# KiCad board Mainboard.kicad_pcb
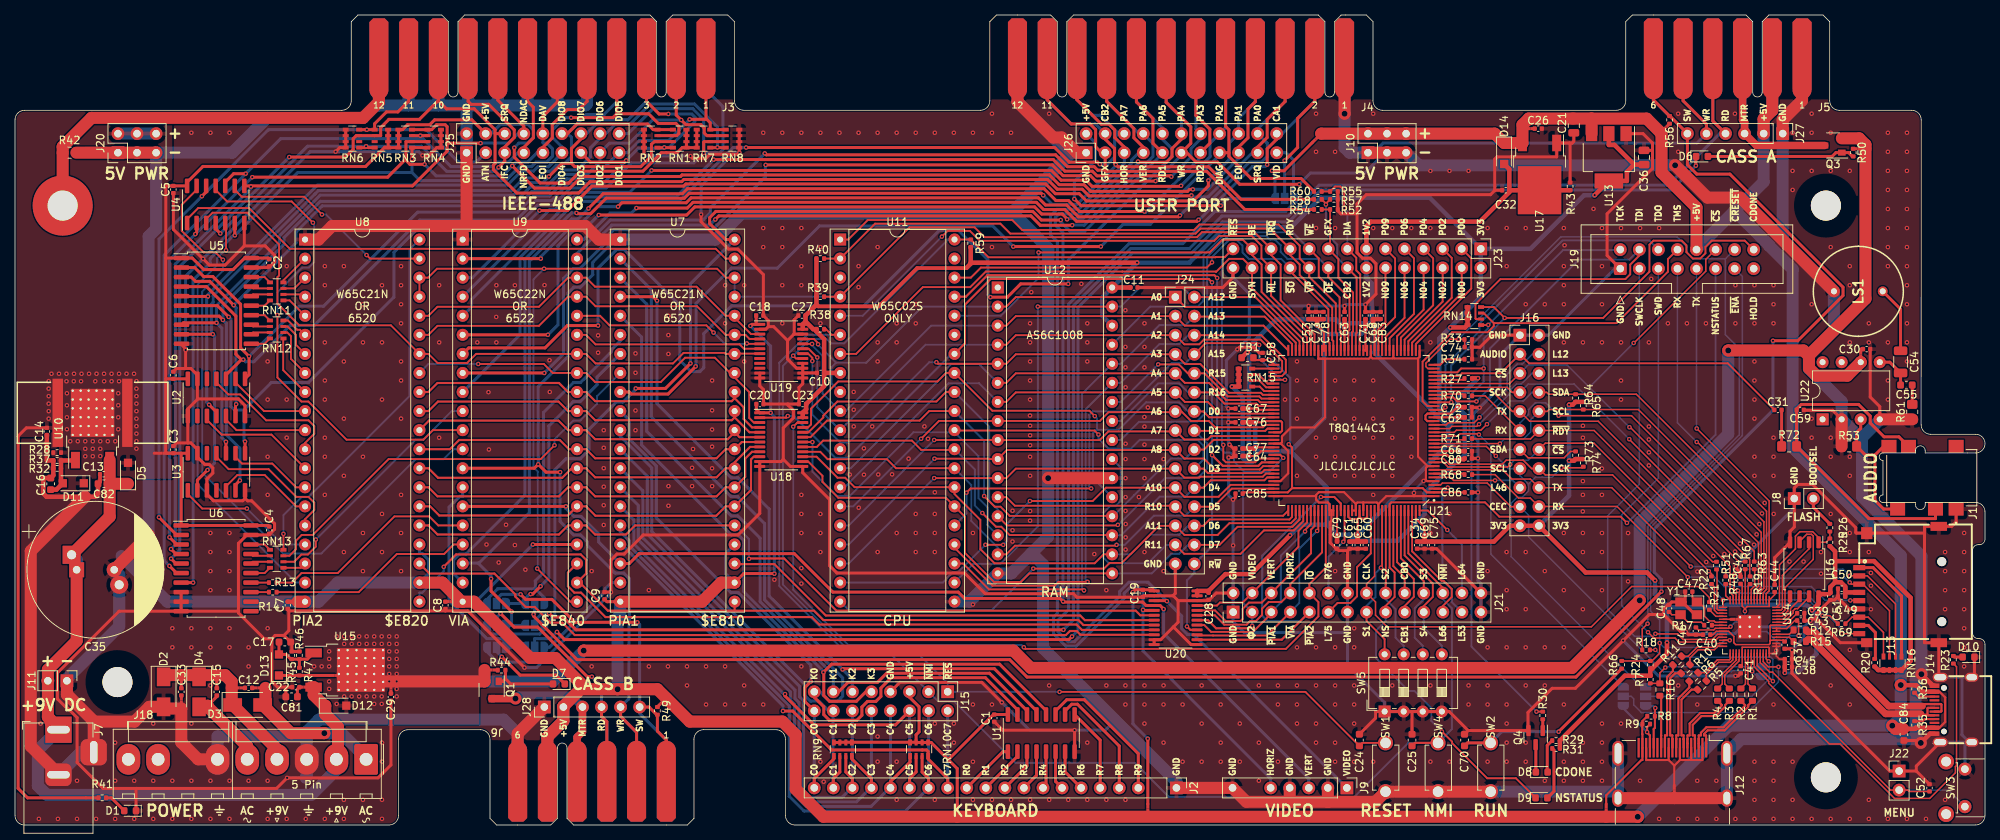
[diagram p0: board, top side]
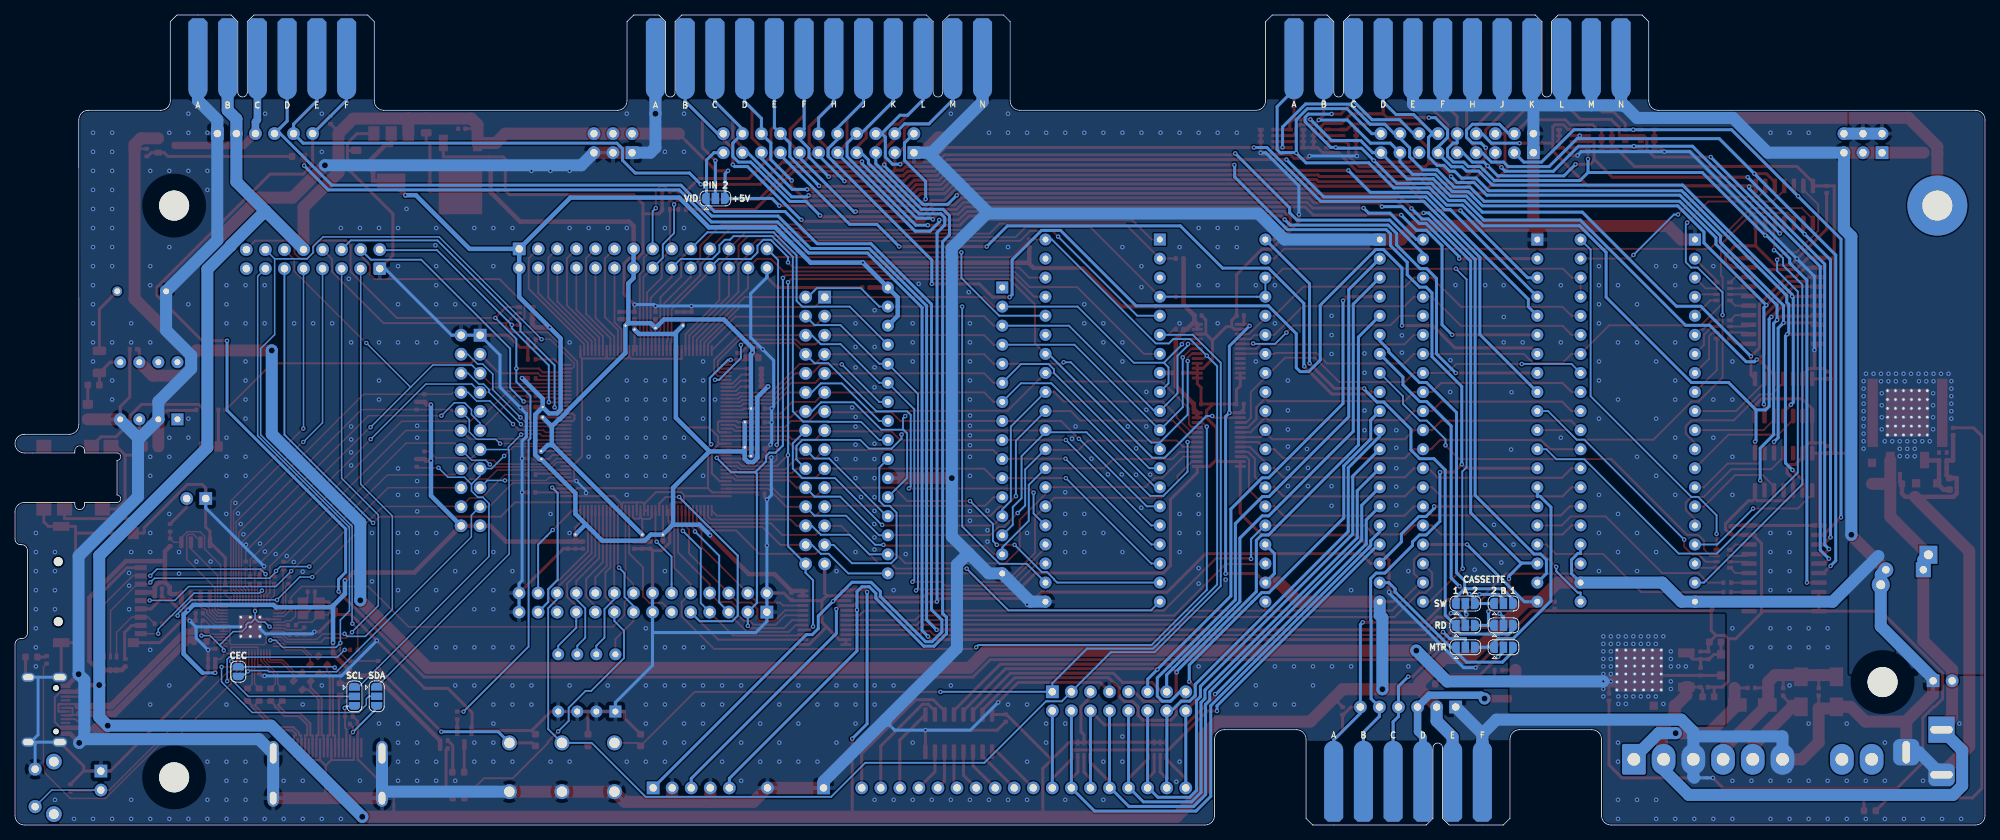
[diagram p1: board, bottom side, seen from below]

Outline 262.5 x 107.95 mm; copper layers: Top, Bottom. Coordinates in mm from the lower left corner of the outline.
Outline path: 43.54,95.25 1.27,95.25 arc(0.37,94.88) 0,93.98 0,1.27 arc(0.37,0.37) 1.27,0 49.83,0 arc(50.73,0.37) 51.1,1.27 51.1,11.43 arc(51.47,12.33) 52.37,12.7 62.02,12.7 ; 91.74,12.7 101.39,12.7 arc(102.29,12.33) 102.66,11.43 102.66,1.27 arc(103.04,0.37) 103.93,0 261.23,0 arc(262.13,0.37) 262.5,1.27 262.5,24.07 arc(262.28,24.61) 261.74,24.84 261.6,24.84 arc(261.06,25.06) 260.84,25.6 260.84,36.6 arc(261.06,37.13) 261.6,37.36 261.74,37.36 arc(262.28,37.58) 262.5,38.12 262.5,41.73 arc(262.13,42.62) 261.25,42.98 260.15,42.98 ; 128.63,95.25 97.13,95.25 ; 213.36,95.25 182.22,95.25 ; 243.08,95.25 252.73,95.25 arc(253.63,94.88) 254,93.98 253.99,53.34 arc(254.36,52.44) 255.26,52.07 261.26,52.07 arc(262.5,50.83) 261.26,49.58 260.15,49.58
Stack: Top 0.035mm / dielectric 0.48mm FR4 er 4.5 / Bottom 0.035mm

## Placement (name value [footprint] x y rotation side)
C1  100n  [C_0402_1005Metric]  130.49 14.24 270 top
C2  100n  [C_0402_1005Metric]  33.88 74.93 270 top
C3  100n  [C_0402_1005Metric]  21.1 50.03 90 top
C4  100n  [C_0402_1005Metric]  33.88 39.29 270 top
C5  100n  [C_0402_1005Metric]  21.1 84.69 270 top
C6  100n  [C_0402_1005Metric]  21.1 59.94 90 top
C7  100n  [C_0402_1005Metric]  36.35 29.28 270 top
C8  100n  [C_0402_1005Metric]  57.35 29.28 270 top
C9  100n  [C_0402_1005Metric]  78.56 30.56 90 top
C10  100n  [C_0402_1005Metric]  107.34 60.25 180 top
C11  100n  [C_0402_1005Metric]  149.1 71.63 0 top
C12  22n  [C_0402_1005Metric]  31.12 18.27 180 top
C13  100n  [C_0402_1005Metric]  11.81 46.75 180 top
C14  1u  [C_0402_1005Metric]  4.25 52.45 270 top
C15  22n  [C_0402_1005Metric]  26.89 17.75 270 top
C16  10u  [C_0603_1608Metric]  4.75 45.47 90 top
C17  10u  [C_0603_1608Metric]  35.95 24.38 0 top
C18  100n  [C_0402_1005Metric]  99.24 67.9 0 top
C19  100n  [C_0402_1005Metric]  150.27 30.87 270 top
C20  100n  [C_0402_1005Metric]  99.26 56.1 0 top
C21  22u  [C_0805_2012Metric]  207.71 93.2 270 top
C22  100n  [C_0402_1005Metric]  37.42 18.37 180 top
C23  100n  [C_0402_1005Metric]  104.94 56.1 180 top
C24  10u  [C_0603_1608Metric]  179.14 11.32 90 top
C25  10u  [C_0603_1608Metric]  186.15 11.32 90 top
C26  100n  [C_0402_1005Metric]  202.97 92.81 0 top
C27  100n  [C_0402_1005Metric]  104.86 67.9 180 top
C28  100n  [C_0402_1005Metric]  159.05 30.5 270 top
C29  1u  [C_0402_1005Metric]  50.09 17.05 270 top
C30  100n  [C_0402_1005Metric]  246.73 63.42 0 top
C31  1u  [C_0402_1005Metric]  234.92 55.32 0 top
C32  1u  [C_0402_1005Metric]  198.64 84.59 180 top
C33  22n  [C_0402_1005Metric]  22.16 17.75 90 top
C34  100n  [C_0402_1005Metric]  186.83 37.3 270 top
C35  470u  [CP_Radial_D18.0mm_P5.00mm_P7.50mm]  8.21 34.01 0 top
C36  22u  [C_0805_2012Metric]  217.06 88.96 90 top
C37  2.2u 6.3V  [C_0402_1005Metric]  235.8 23.97 270 top
C38  2.2u 6.3V  [C_0402_1005Metric]  236.3 21.05 0 top
C39  100n  [C_0402_1005Metric]  237.95 28.22 0 top
C40  100n  [C_0402_1005Metric]  225.42 25.36 180 top
C41  100n  [C_0402_1005Metric]  229.95 20.7 270 top
C42  100n  [C_0402_1005Metric]  229.93 32.62 90 top
C43  100n  [C_0402_1005Metric]  237.95 27.25 0 top
C44  100n  [C_0402_1005Metric]  234.47 31.52 90 top
C45  100n  [C_0402_1005Metric]  236.3 22.1 0 top
C46  100n  [C_0402_1005Metric]  223.98 25.85 270 top
C47  30p  [C_0402_1005Metric]  223.03 31.1 0 top
C48  30p  [C_0402_1005Metric]  220.4 28.87 270 top
C49  100n  [C_0402_1005Metric]  243.39 30.45 180 top
C50  10u 6.3V  [C_0402_1005Metric]  243.39 31.5 180 top
C51  100n  [C_0402_1005Metric]  241.88 30.47 270 top
C52  2.2u 6.3V  [C_0402_1005Metric]  255.11 4.95 90 top
C53  1u  [C_0402_1005Metric]  172.35 67.9 90 top
C54  47u 10V  [C_1206_3216Metric]  251.25 61.72 90 top
C55  47n  [C_0603_1608Metric]  252.03 58.63 0 top
C58  4.7u 10V  [C_0402_1005Metric]  166.24 62.44 90 top
C59  22n  [C_0402_1005Metric]  237.88 55.32 0 top
C60  1u  [C_0402_1005Metric]  179.99 37.3 270 top
C61  100n  [C_0402_1005Metric]  177.83 37.3 270 top
C62  10n  [C_0402_1005Metric]  193.65 54.33 0 top
C63  100n  [C_0402_1005Metric]  177.16 67.9 90 top
C64  100n  [C_0402_1005Metric]  163.11 49.17 180 top
C65  10n  [C_0402_1005Metric]  178.91 37.3 270 top
C66  100n  [C_0402_1005Metric]  193.65 49.83 0 top
C67  10n  [C_0402_1005Metric]  163.11 55.5 180 top
C68  100n  [C_0402_1005Metric]  180.95 67.9 90 top
C69  10n  [C_0402_1005Metric]  187.83 37.3 270 top
C70  10u  [C_0603_1608Metric]  193.15 11.32 90 top
C71  100n  [C_0402_1005Metric]  179.95 67.9 90 top
C72  100n  [C_0402_1005Metric]  193.65 55.69 0 top
C73  10n  [C_0402_1005Metric]  173.35 67.9 90 top
C74  100n  [C_0402_1005Metric]  193.65 63.69 0 top
C75  1u  [C_0402_1005Metric]  188.82 37.3 270 top
C76  100n  [C_0402_1005Metric]  163.11 53.66 180 top
C77  100n  [C_0402_1005Metric]  163.1 50.17 180 top
C78  100n  [C_0402_1005Metric]  174.35 67.9 90 top
C79  100n  [C_0402_1005Metric]  176.16 37.3 270 top
C80  100n  [C_0402_1005Metric]  193.65 48.85 0 top
C81  10u  [C_0603_1608Metric]  36.86 17.09 180 top
C82  10u  [C_0603_1608Metric]  11.84 45.47 180 top
C83  1u  [C_0402_1005Metric]  181.96 67.9 90 top
C84  4.7u 16V  [C_0603_1608Metric]  251.7 12.04 270 top
C85  100n  [C_0402_1005Metric]  163.11 44.16 180 top
C86  100n  [C_0402_1005Metric]  193.65 44.33 0 top
D1  LED_RED  [LED_0603_1608Metric]  15.34 1.9 180 top
D2  SS34  [D_SMA]  19.8 17.75 270 top
D3  SS34  [D_SMA]  31 16 0 top
D4  SS34  [D_SMA]  24.53 17.75 270 top
D5  SM4007  [D_SOD-123F]  15.06 46.87 90 top
D6  LED_RED  [LED_0603_1608Metric]  224.79 89.1 0 top
D7  LED_RED  [LED_0603_1608Metric]  72.47 18.8 180 top
D8  LED_GRN  [LED_0603_1608Metric]  203.44 7.05 0 top
D9  LED_RED  [LED_0603_1608Metric]  203.4 3.61 0 top
D10  LED_GRN  [LED_0603_1608Metric]  260.31 22.38 180 top
D11  SM4007  [D_SOD-123F]  7.77 45.54 180 top
D12  SM4007  [D_SOD-123F]  42.74 15.9 0 top
D13  SM4007  [D_SOD-123F]  35.17 21.33 90 top
D14  SM4007  [D_SOD-123F]  198.43 89.49 270 top
FB1  600 200ma  [L_0603_1608Metric]  164.23 62.27 180 top
H1  MountingHole_Pad  [MountingHole_4mm_Pad]  6.35 82.55 0 top
H2  MountingHole  [PET_MountingHole_4mm]  241.3 82.55 0 top
H3  MountingHole  [PET_MountingHole_4mm]  241.3 6.35 0 top
H4  MountingHole  [PET_MountingHole_4mm]  13.65 19.05 0 top
HS1  Heatsink_Pad  [V1100SMDBL]  10.34 54.93 0 top
J1  SJ-43504-SMT-TR  [CUI_SJ-43504-SMT-TR]  258.65 42.11 90 top
J2  KEYBOARD  [CBM_PET_KEYBOARD_KEYED_20P]  154.76 4.94 270 top
J3  IEEE  [CBM_PET_IEEE_EDGE_CON_24P]  48.49 96.52 0 top
J4  USER  [CBM_PET_USER_EDGE_CON_24P]  133.58 96.52 0 top
J5  CASS A  [CBM_PET_CASS_EDGE_CON_12P]  218.31 96.52 0 top
J6  CASS B  [CBM_PET_CASS_EDGE_CON_12P]  86.79 11.43 180 top
J7  9V POWER  [BarrelJack_Horizontal]  5.79 12.7 90 top
J8  FLASH  [PinHeader_1x02_P2.54mm_Vertical]  237.09 43.51 90 top
J9  VIDEO  [PET_Video]  177.47 4.94 270 top
J10  5V PWR  [PinHeader_2x03_P2.54mm_Vertical]  180.28 89.6 90 top
J11  9V POWER  [PinHeader_1x02_P2.54mm_Vertical]  6.92 19.22 270 top
J12  NOT_HDMI_A  [HDMI_A_Molex_208658-1001_Horizontal]  220.85 7.02 270 top
J13  MicroSD  [TF-SMD_TF-PUSH]  253.24 32.17 90 top
J14  USB2.0_HOST_TYPE_C  [USB-C_SMD-TYPE-C-31-M-12]  259.55 15.37 90 top
J15  KEYBOARD_EX  [PinHeader_2x08_P2.54mm_Vertical]  124.28 17.76 270 top
J16  FPGA_MCU  [PinHeader_2x11_P2.54mm_Vertical]  200.52 65.28 0 top
J18  PET POWER  [PET_POWER_Molex_KK-396_A-41791-0009_1x09_P3.96mm_Vertical]  46.79 8.75 180 top
J19  PROG  [IDC-Header_2x08_P2.54mm_Vertical]  213.9 74.15 90 top
J20  5V PWR  [PinHeader_2x03_P2.54mm_Vertical]  13.72 89.6 90 top
J21  FPGA_P3  [PinHeader_2x14_P2.54mm_Vertical]  162.31 28.37 90 top
J22  MENU  [PinHeader_1x02_P2.54mm_Vertical]  251.06 7.19 0 top
J23  FPGA_P2  [PinHeader_2x14_P2.54mm_Vertical]  195.31 76.78 270 top
J24  FPGA_P1  [PinHeader_2x15_P2.54mm_Vertical]  154.61 70.35 0 top
J25  IEEE_HEADER  [PinHeader_2x09_P2.54mm_Vertical]  60.17 89.6 90 top
J26  USER_HEADER  [PinHeader_2x11_P2.54mm_Vertical]  142.72 89.6 90 top
J27  CASS_A_HEADER  [PinHeader_1x06_P2.54mm_Vertical]  235.54 92.15 270 top
J28  CASS_B_HEADER  [PinHeader_1x06_P2.54mm_Vertical]  70.53 15.72 90 top
JP1  CASS A ~{SWITCH}  [SolderJumper-3_P1.3mm_Open_RoundedPad1.0x1.5mm]  69.25 29.52 180 bottom
JP2  CASS B ~{SWITCH}  [SolderJumper-3_P1.3mm_Open_RoundedPad1.0x1.5mm]  64.17 29.52 180 bottom
JP3  CASS A READ  [SolderJumper-3_P1.3mm_Open_RoundedPad1.0x1.5mm]  69.25 26.6 180 bottom
JP4  CASS B READ  [SolderJumper-3_P1.3mm_Open_RoundedPad1.0x1.5mm]  64.17 26.6 180 bottom
JP5  CASS A ~{MOTOR}  [SolderJumper-3_P1.3mm_Open_RoundedPad1.0x1.5mm]  69.25 23.68 180 bottom
JP6  CASS B ~{MOTOR}  [SolderJumper-3_P1.3mm_Open_RoundedPad1.0x1.5mm]  64.17 23.68 180 bottom
JP7  DVI_CEC  [SolderJumper-2_P1.3mm_Open_RoundedPad1.0x1.5mm]  232.75 20.44 90 bottom
JP8  DVI_SDA  [SolderJumper-3_P1.3mm_Open_RoundedPad1.0x1.5mm]  214.31 17.15 270 bottom
JP9  DVI_SCL  [SolderJumper-3_P1.3mm_Open_RoundedPad1.0x1.5mm]  217.27 17.14 270 bottom
JP10  VIDEO_OR_5V  [SolderJumper-3_P1.3mm_Open_RoundedPad1.0x1.5mm]  169.18 83.5 180 bottom
LS1  Speaker  [AT1220TT9R]  248.87 71.12 270 top
PT1  PowerTie_2  [NetTie-2_SMD_Pad_1.6_to_0.4mm]  237.51 20.28 180 bottom
PT2  PowerTie_2  [NetTie-2_SMD_Pad_1.6_to_0.4mm]  230.32 27.41 180 top
PT4  PowerTie_2  [NetTie-2_SMD_Pad_1.6_to_0.4mm]  9.48 3.62 0 top
PT5  PowerTie_2  [NetTie-2_SMD_Pad_1.6_to_0.4mm]  18.55 49.55 0 top
PT6  PowerTie_2  [NetTie-2_SMD_Pad_1.6_to_0.4mm]  95.89 32.3 135 bottom
PT7  PowerTie_2  [NetTie-2_SMD_Pad_1.6_to_0.4mm]  59.65 29.76 0 bottom
PT8  PowerTie_2  [NetTie-2_SMD_Pad_1.6_to_0.4mm]  53.89 32.3 45 bottom
PT9  PowerTie_2  [NetTie-2_SMD_Pad_1.6_to_0.4mm]  38.73 6.29 180 bottom
PT10  PowerTie_2  [NetTie-2_SMD_Pad_1.6_to_0.4mm]  254.03 20.1 315 top
PT11  PowerTie_2  [NetTie-2_SMD_Pad_1.6_to_0.4mm]  253.95 10.95 45 top
PT12  PowerTie_2  [NetTie-2_SMD_Pad_1.6_to_0.4mm]  95.9 32.3 45 top
PT13  PowerTie_2  [NetTie-2_SMD_Pad_1.6_to_0.4mm]  150.95 1.1 90 top
PT14  PowerTie_2  [NetTie-2_SMD_Pad_1.6_to_0.4mm]  200.87 92.81 0 top
PT15  PowerTie_2  [NetTie-2_SMD_Pad_1.6_to_0.4mm]  219.27 92.26 45 top
PT16  PowerTie_2  [NetTie-2_SMD_Pad_1.6_to_0.4mm]  86.77 16.92 225 top
PT17  PowerTie_2  [NetTie-2_SMD_Pad_1.6_to_0.4mm]  125.55 1.1 90 top
PT18  PowerTie_2  [NetTie-2_SMD_Pad_1.6_to_0.4mm]  212.02 1.1 90 top
PT19  PowerTie_2  [NetTie-2_SMD_Pad_1.6_to_0.4mm]  251.49 12.81 0 top
PT20  PowerTie_2  [NetTie-2_SMD_Pad_1.6_to_0.4mm]  251.27 18.65 0 top
PT21  PowerTie_2  [NetTie-2_SMD_Pad_1.6_to_0.4mm]  246.57 90.12 180 top
PT22  PowerTie_2  [NetTie-2_SMD_Pad_1.6_to_0.4mm]  62.56 20.67 0 top
PT23  PowerTie_2  [NetTie-2_SMD_Pad_1.6_to_0.4mm]  43.69 19.93 180 top
PT24  PowerTie_2  [NetTie-2_SMD_Pad_1.6_to_0.4mm]  39.52 18.37 180 top
PT25  PowerTie_2  [NetTie-2_SMD_Pad_1.6_to_0.4mm]  50.09 19.13 270 top
PT26  PowerTie_2  [NetTie-2_SMD_Pad_1.6_to_0.4mm]  174.06 92.14 225 top
PT27  PowerTie_2  [NetTie-2_SMD_Pad_1.6_to_0.4mm]  22.16 15.52 90 top
PT28  PowerTie_2  [NetTie-2_SMD_Pad_1.6_to_0.4mm]  33.38 18.27 180 top
PT29  PowerTie_2  [NetTie-2_SMD_Pad_1.6_to_0.4mm]  25.67 15.9 45 top
PT30  PowerTie_2  [NetTie-2_SMD_Pad_1.6_to_0.4mm]  26.89 19.97 270 top
PT31  PowerTie_2  [NetTie-2_SMD_Pad_1.6_to_0.4mm]  22.16 19.97 270 top
PT32  PowerTie_2  [NetTie-2_SMD_Pad_1.6_to_0.4mm]  28.88 18.27 0 top
PT33  PowerTie_2  [NetTie-2_SMD_Pad_1.6_to_0.4mm]  146.48 13.84 225 bottom
PT35  PowerTie_2  [NetTie-2_SMD_Pad_1.6_to_0.4mm]  245.94 61.68 90 top
PT36  PowerTie_2  [NetTie-2_SMD_Pad_1.6_to_0.4mm]  248.48 54.06 90 top
PT37  PowerTie_2  [NetTie-2_SMD_Pad_1.6_to_0.4mm]  221.1 3.58 90 top
PT38  PowerTie_2  [NetTie-2_SMD_Pad_1.6_to_0.4mm]  243.4 54.06 135 top
PT39  PowerTie_2  [NetTie-2_SMD_Pad_1.6_to_0.4mm]  175.25 38.68 90 top
PT40  PowerTie_2  [NetTie-2_SMD_Pad_0.28]  192.36 48.75 180 top
PT41  PowerTie_2  [NetTie-2_SMD_Pad_0.28]  192.39 49.83 180 top
PT42  PowerTie_2  [NetTie-2_SMD_Pad_0.28]  192.19 54.33 180 top
PT43  PowerTie_2  [NetTie-2_SMD_Pad_0.28]  181.16 66.55 270 top
PT44  PowerTie_2  [NetTie-2_SMD_Pad_0.28]  177.16 66.24 270 top
PT45  PowerTie_2  [NetTie-2_SMD_Pad_0.28]  164.44 55.5 0 top
PT46  PowerTie_2  [NetTie-2_SMD_Pad_0.28]  164.46 49.17 0 top
PT47  PowerTie_2  [NetTie-2_SMD_Pad_0.28]  178.91 38.7 90 top
PT48  PowerTie_2  [NetTie-2_SMD_Pad_0.28]  192.19 55.69 225 top
PT49  PowerTie_2  [NetTie-2_SMD_Pad_0.28]  179.95 66.02 270 top
PT50  PowerTie_2  [NetTie-2_SMD_Pad_0.28]  173.51 66.57 315 top
PT51  PowerTie_2  [NetTie-2_SMD_Pad_0.28]  165.24 53.67 0 top
PT52  PowerTie_2  [NetTie-2_SMD_Pad_0.28]  165.27 50.33 0 top
PT53  PowerTie_2  [NetTie-2_SMD_Pad_0.28]  176.16 38.7 90 top
PT54  PowerTie_2  [NetTie-2_SMD_Pad_0.28]  187.83 38.7 90 top
PT55  PowerTie_2  [NetTie-2_SMD_Pad_1.6_to_0.4mm]  80.65 29.76 180 top
PT56  PowerTie_2  [NetTie-2_SMD_Pad_1.6_to_0.4mm]  58.97 29.76 180 top
Q1  AO3401A  [SOT-23_L2.9-W1.3-P1.90-LS2.4-BR]  63.51 17.99 90 top
Q3  AO3401A  [SOT-23_L2.9-W1.3-P1.90-LS2.4-BR]  242.27 90.56 0 top
Q4  MMBT3904  [SOT-23]  202.62 11.65 270 top
R1  270  [R_0603_1608Metric]  231.52 17.37 270 top
R2  270  [R_0603_1608Metric]  229.97 17.37 270 top
R3  270  [R_0603_1608Metric]  228.43 17.36 270 top
R4  270  [R_0603_1608Metric]  226.88 17.36 270 top
R5  270  [R_0603_1608Metric]  224.78 18.62 225 top
R6  270  [R_0603_1608Metric]  223.68 19.72 225 top
R7  2k2  [R_0402_1005Metric]  217.9 19.38 270 top
R8  2k2  [R_0402_1005Metric]  218.01 14.5 0 top
R9  2k2  [R_0402_1005Metric]  217.36 13.45 0 top
R10  270  [R_0603_1608Metric]  222.59 20.8 225 top
R11  270  [R_0603_1608Metric]  221.5 21.9 225 top
R12  27  [R_0603_1608Metric]  237.82 25.98 0 top
R13  470  [R_0402_1005Metric]  34.35 32.3 0 top
R14  470  [R_0402_1005Metric]  34.35 31.03 0 top
R15  27  [R_0603_1608Metric]  237.82 24.45 0 top
R16  270  [R_0603_1608Metric]  219.18 18.05 270 top
R17  1k  [R_0402_1005Metric]  225.6 26.62 0 top
R18  10k  [R_0402_1005Metric]  217.34 23.33 180 top
R19  33  [R_0402_1005Metric]  231.2 32.62 270 top
R20  10k  [R_0402_1005Metric]  247.8 21.62 90 top
R21  33  [R_0402_1005Metric]  225.77 29.19 270 top
R22  33  [R_0402_1005Metric]  226.05 32.62 270 top
R23  1k  [R_0402_1005Metric]  258.29 22.02 90 top
R24  15k  [R_0402_1005Metric]  217.9 21.35 90 top
R25  10k  [R_0402_1005Metric]  241.83 37.67 90 top
R26  1k  [R_0402_1005Metric]  241.83 39.62 270 top
R27  10k  [R_0402_1005Metric]  193.65 59.51 0 top
R28  300  [R_0402_1005Metric]  5.62 49.63 180 top
R29  1k  [R_0402_1005Metric]  205.35 11.25 0 top
R30  100k  [R_0402_1005Metric]  203.57 14.6 90 top
R31  1k  [R_0402_1005Metric]  205.35 10.2 0 top
R32  1.2k  [R_0402_1005Metric]  5.62 47.53 180 top
R33  100k  [R_0402_1005Metric]  193.65 64.7 0 top
R34  12k 1%  [R_0402_1005Metric]  193.65 62.07 180 top
R35  56k  [R_0402_1005Metric]  253.12 13.32 90 top
R36  56k  [R_0402_1005Metric]  253.12 18.13 270 top
R37  3.9k  [R_0402_1005Metric]  5.62 48.58 180 top
R38  4k7  [R_0402_1005Metric]  107.3 66.07 0 top
R39  4k7  [R_0402_1005Metric]  107.3 70.4 0 top
R40  4k7  [R_0402_1005Metric]  107.3 75.49 180 top
R41  1k5  [R_0402_1005Metric]  11.62 3.62 0 top
R42  68  [R_0805_2012Metric]  7.26 89.6 0 top
R43  120  [R_0402_1005Metric]  207.22 85.1 90 top
R44  1k5  [R_0402_1005Metric]  64.84 20.64 0 top
R45  1.5k  [R_0402_1005Metric]  36.88 22.61 90 top
R46  5.1k  [R_0402_1005Metric]  37.89 22.61 90 top
R47  300  [R_0402_1005Metric]  37.89 20.44 90 top
R48  33  [R_0402_1005Metric]  227.95 32.62 270 top
R49  10k  [R_0402_1005Metric]  85.6 15.21 270 top
R50  1k5  [R_0402_1005Metric]  244.94 89.61 270 top
R51  33  [R_0402_1005Metric]  226.72 34.57 270 top
R52  10k  [R_0402_1005Metric]  175.75 82.03 0 top
R53  4k7  [R_0805_2012Metric_Pad1.20x1.40mm_HandSolder]  244.4 50.46 180 top
R54  5.6k  [R_0402_1005Metric]  173.61 82.03 180 top
R55  10k  [R_0402_1005Metric]  175.75 84.43 0 top
R56  10k  [R_0402_1005Metric]  220.47 93.97 90 top
R57  10k  [R_0402_1005Metric]  175.75 83.38 0 top
R58  5.6k  [R_0402_1005Metric]  173.61 83.38 180 top
R59  4k7  [R_0402_1005Metric]  127.35 77.52 90 top
R60  5.6k  [R_0402_1005Metric]  173.61 84.43 180 top
R61  10  [R_0805_2012Metric_Pad1.20x1.40mm_HandSolder]  252.8 55.06 270 top
R63  33  [R_0402_1005Metric]  231.75 34.6 270 top
R64  2k2  [R_0402_1005Metric]  207.95 56.9 90 top
R65  2k2  [R_0402_1005Metric]  208.97 55.88 270 top
R66  1k  [R_0402_1005Metric]  214.09 21.35 90 top
R67  33  [R_0402_1005Metric]  230.54 34.6 270 top
R68  33  [R_0402_1005Metric]  193.65 46.7 180 top
R69  33  [R_0402_1005Metric]  243.39 26.82 180 top
R70  33  [R_0402_1005Metric]  193.65 57.19 180 top
R71  33  [R_0402_1005Metric]  193.65 51.51 180 top
R72  12k  [R_0805_2012Metric_Pad1.20x1.40mm_HandSolder]  236.4 50.46 0 top
R73  2k2  [R_0402_1005Metric]  207.95 49.28 90 top
R74  2k2  [R_0402_1005Metric]  208.97 48.26 270 top
RN1  4.7k  [R_Array_Convex_4x0603]  88.57 91.47 0 top
RN2  10k  [R_Array_Convex_4x0603]  84.71 91.47 0 top
RN3  4.7k  [R_Array_Convex_4x0603]  52 91.47 180 top
RN4  10k  [R_Array_Convex_4x0603]  55.86 91.47 180 top
RN5  4.7k  [R_Array_Convex_4x0603]  48.82 91.47 0 top
RN6  10k  [R_Array_Convex_4x0603]  44.96 91.47 0 top
RN7  4.7k  [R_Array_Convex_4x0603]  91.74 91.47 180 top
RN8  10k  [R_Array_Convex_4x0603]  95.6 91.47 180 top
RN9  10k  [R_Array_Convex_4x0603]  110.31 10.1 90 top
RN10  10k  [R_Array_Convex_4x0603]  120.47 10.1 90 top
RN11  470  [R_Array_Convex_4x0603]  34.87 71.11 0 top
RN12  470  [R_Array_Convex_4x0603]  34.87 66.04 0 top
RN13  470  [R_Array_Convex_4x0603]  34.87 35.48 0 top
RN14  10k  [R_Array_Convex_4x0603]  194.45 67.83 180 top
RN15  10k  [R_Array_Convex_4x0603]  163.95 59.63 180 top
RN16  10k  [R_Array_Convex_4x0603]  250.18 21.55 270 top
SW1  RESET  [SW-TH_L6.0-W3.5-P6.50]  182.65 7.69 90 top
SW2  RUN  [SW-TH_L6.0-W3.5-P6.50]  196.65 7.69 90 top
SW3  MENU  [APEM_MJTP1117]  259.82 7.45 270 top
SW4  NMI  [SW-TH_L6.0-W3.5-P6.50]  189.65 7.69 90 top
SW5  CONFIG  [SW_DIP_SPSTx04_Slide_6.7x11.72mm_W7.62mm_P2.54mm_LowProfile]  182.5 15.12 90 top
U1  74LS145  [SOIC-16_3.9x9.9mm_P1.27mm]  136.75 12.25 90 top
U2  SN74LS07  [SOIC-14_3.9x8.7mm_P1.27mm]  26.84 56.98 90 top
U3  SN74LS07  [SOIC-14_3.9x8.7mm_P1.27mm]  26.84 47.07 90 top
U4  SN74LS07  [SOIC-14_3.9x8.7mm_P1.27mm]  26.74 82.7 90 top
U5  74LS245  [SOIC-20W_7.5x12.8mm_P1.27mm]  26.84 69.85 0 top
U6  74LS245  [SOIC-20W_7.5x12.8mm_P1.27mm]  26.79 34.21 0 top
U7  W65C21N  [DIP-40_W15.24mm_Socket]  80.65 78.02 0 top
U8  W65C21N  [DIP-40_W15.24mm_Socket]  38.65 78.02 0 top
U9  W65C22N  [DIP-40_W15.24mm_Socket]  59.65 78.02 0 top
U10  LM317AG-TN3-R  [TO-252-2_ThermalVias]  10.34 52.83 90 top
U11  W65C02S  [DIP-40_W15.24mm_Socket]  109.95 78.03 0 top
U12  AS6C1008  [DIP-32_W15.24mm_Socket]  130.95 71.63 0 top
U13  AMS1117-3.3  [SOT-223-3_TabPin2]  212.38 88.99 270 top
U14  RP2040  [LQFN-56_L7.0-W7.0-P0.4-EP]  231.14 26.41 270 top
U15  LM317AG-TN3-R  [TO-252-2_ThermalVias]  43.99 20.65 0 top
U16  W25Q128JVS  [SOIC-8_5.23x5.23mm_P1.27mm]  238.43 34.07 270 top
U17  LM317AG-TN3-R  [TO-252-2]  203.15 86.69 270 top
U18  SN74LVC4245APWR  [TSSOP-24_4.4x7.8mm_P0.65mm]  102.1 51.36 0 top
U19  SN74LVC4245APWR  [TSSOP-24_4.4x7.8mm_P0.65mm]  102.1 63.15 0 top
U20  SN74LVC4245APWR  [TSSOP-24_4.4x7.8mm_P0.65mm]  154.65 27.62 0 top
U21  T8Q144C3  [QFP50P2200X2200X160-144N]  178.41 52.58 180 top
U22  LM386  [DIP-8_W7.62mm]  240.86 54.06 90 top
Y1  12 MHz  [Crystal_SMD_3225-4Pin_3.2x2.5mm]  223.03 28.87 180 top
